# Altium PCB LimeSDR-X3_1v1.PcbDoc (part 20 of 25)
Units mm, origin at the board's own origin, x right, y up, seen from the top; angles counter-clockwise.
Board outline 232.5 x 111.15 mm, 12 copper layers (Top, L2, L3, L4, L5, L6, L7, L8, L9, L10, L11, Bottom), stack 1.596 mm thick; 2068 components, 1388 nets, 8930 pads, 3646 vias.
Unrouted connection lines stored in the file: 1.
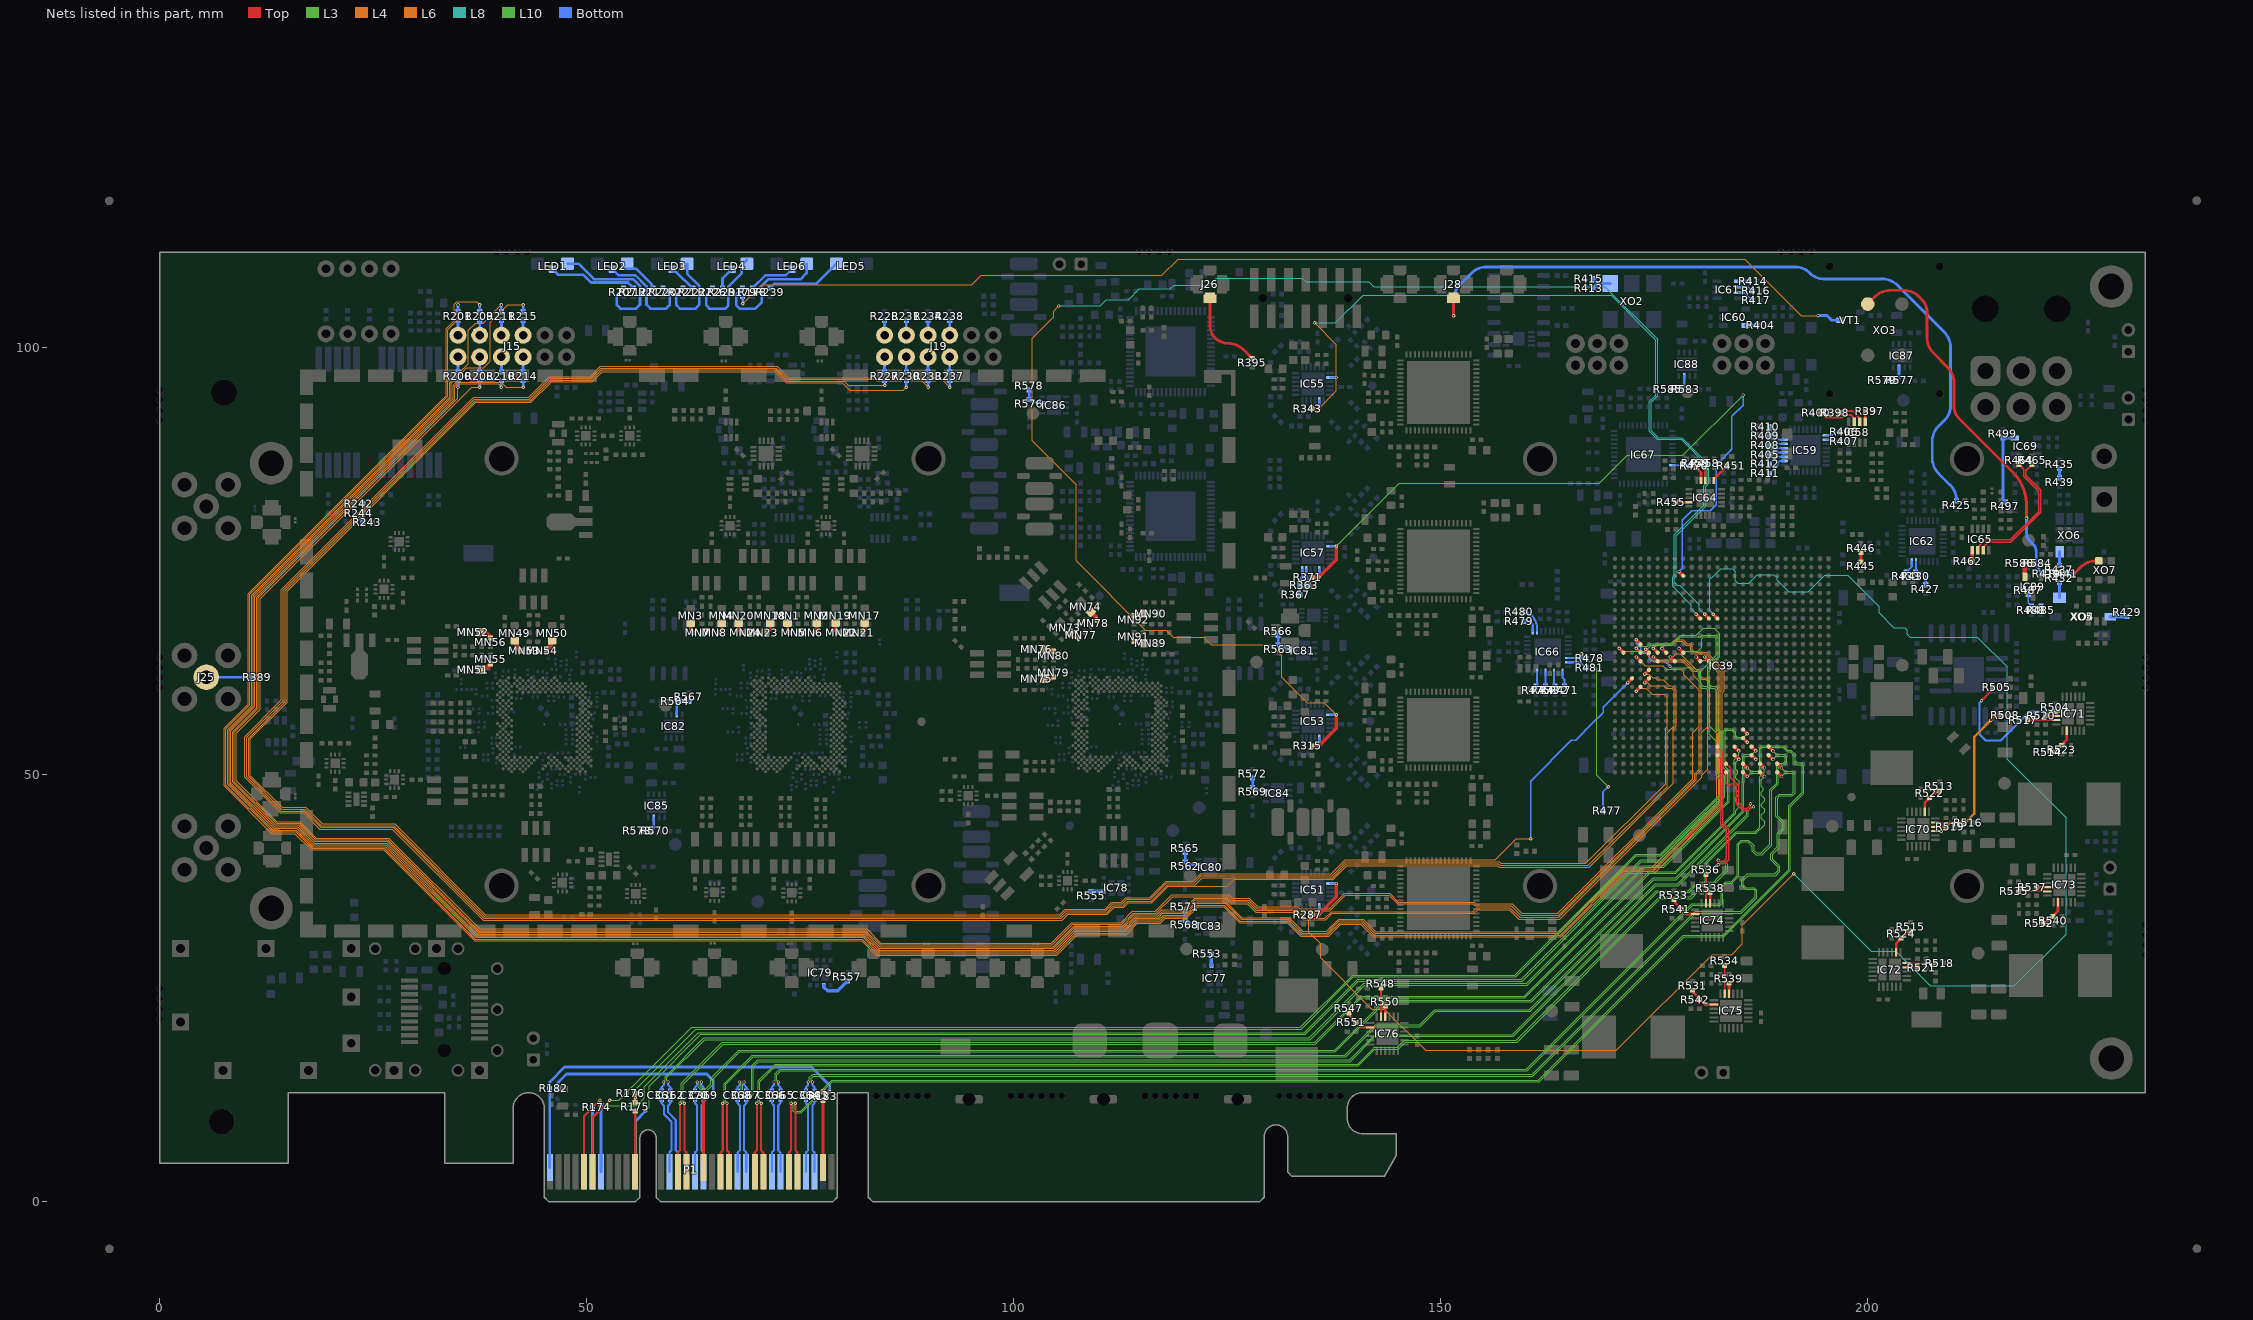
[diagram p30: the nets of this part, all layers, seen from the top]

## Via types
v1: diameter 0.4, hole 0.2, Top to Bottom, tented both sides, 3063 vias
v2: diameter 0.35, hole 0.2, Top to Bottom, tented both sides, 272 vias
v3: diameter 0.5, hole 0.2, Top to Bottom, tented bottom, 196 vias
v4: diameter 0.5, hole 0.2, Top to Bottom, tented both sides, 102 vias
v5: diameter 0.8, hole 0.4, Top to Bottom, tented both sides, 13 vias

## Nets (pads, with @x,y where several pads share a name; then routed paths per layer and width w, separated by ;. In a path a pad name is that pad's centre, name@x,y a point inside that pad or via, vN(x,y) a via of type N, cw(c..) or ccw(c..) an arc to the next point about the centre after c; other vN are vias at no path point) (continued)
NetIC57_23: IC57.23 R363.1 | length 1.9
  Bottom w0.254: IC57.23@134.25,74 134.25,73.312 ccw(c134.762,73.312) 134.4,72.95 cw(c134.159,72.709) 134.5,72.709 R363.1@134.5,72.175
NetIC57_24: IC57.24 R363.2 R367.1 | length 3
  Bottom w0.254: R367.1@133.5,71.075 R363.2@133.5,72.175 133.5,72.698 cw(c133.927,72.698) 133.625,73 ccw(c133.323,73.302) 133.75,73.302 IC57.24@133.75,74
NetIC58_5: IC58.5 R397.1 | length 1.2
  Top w0.3: IC58.5@199.7,91.339 R397.1@199.7,92.568
NetIC58_6: IC58.6 R398.1 | length 3.2
  Top w0.2: R398.1@196.7,92.375 196.9,92.575 198.2,92.575 199.05,91.725 IC58.6@199.05,91.339
NetIC58_7: IC58.7 R400.1 | length 4.8
  Top w0.2: R400.1@194.45,92.375 195,91.825 197.05,91.825 197.325,92.1 198.025,92.1 198.378,91.747 198.378,91.361 IC58.7@198.4,91.339
NetIC59_10: IC59.10 R411.2 | length 2.5
  Bottom w0.2: R411.2@188.475,85.275 189.4,86.2 189.4,86.45 189.669,86.719 190.194,86.719 IC59.10@190.2,86.725
NetIC59_11: IC59.11 R412.1 | length 2.1
  Bottom w0.2: R412.1@188.475,86.375 189.325,87.225 IC59.11@190.2,87.225
NetIC59_12: IC59.12 R405.1 | length 1.8
  Bottom w0.2: R405.1@188.475,87.45 188.75,87.725 IC59.12@190.2,87.725
NetIC59_13: IC59.13 R408.1 | length 1.9
  Bottom w0.2: R408.1@188.475,88.55 188.8,88.225 IC59.13@190.2,88.225
NetIC59_14: IC59.14 R409.1 | length 2.1
  Bottom w0.2: R409.1@188.475,89.65 189.4,88.725 IC59.14@190.2,88.725
NetIC59_15: IC59.15 R410.2 | length 2.6
  Bottom w0.2: R410.2@188.475,90.75 189.05,90.175 189.05,89.75 189.575,89.225 IC59.15@190.2,89.225
NetIC59_25: IC59.25 R406.1 | length 1.8
  Bottom w0.2: IC59.25@195.1,89.725 195.8,89.725 196.2,90.125 R406.1@196.75,90.125
NetIC59_26: IC59.26 R407.1 | length 1.7
  Bottom w0.2: IC59.26@195.1,89.225 196,89.225 196.2,89.025 R407.1@196.75,89.025
NetIC60_5: IC60.5 R404.2 | length 1.3
  Bottom w0.4: IC60.5@185.666,102.6 R404.2@186.975,102.6
NetIC61_5: IC61.5 R414.1 | length 1.2
  Bottom w0.3: IC61.5@184.825,107.75 R414.1@186.054,107.75
NetIC61_6: IC61.6 R416.1 | length 1.8
  Bottom w0.2: IC61.6@184.825,107.1 185.975,107.1 R416.1@186.425,106.65
NetIC61_7: IC61.7 R417.1 | length 2
  Bottom w0.2: IC61.7@184.825,106.45 185.525,106.45 R417.1@186.425,105.55
NetIC62_30: IC62.30 R427.2 R430.1 | length 3.6
  Bottom w0.25: IC62.30@205.625,74.95 205.625,73.75 R430.1@205.575,73.7 206.225,73.7 206.775,73.15 R427.2@206.775,72.225
NetIC62_31: IC62.31 R433.2 | length 1.5
  Bottom w0.25: R433.2@204.475,73.7 205.125,74.35 IC62.31@205.125,74.95
NetIC64_11: IC64.11 R451.1 | length 2.3
  Top w0.3: IC64.11@181.95,84.45 181.95,84.604 R451.1@183.486,86.14
NetIC64_13: IC64.13 R458.2 | length 1.5
  Top w0.3: IC64.13@180.95,84.45 R458.2@180.95,85.95
NetIC64_14: IC64.14 R459.2 | length 1.7
  Top w0.3: R459.2@179.85,85.95 180.45,85.35 IC64.14@180.45,84.45
NetIC64_19: IC64.19 R455.1 | length 1.6
  Top w0.3: R455.1@177.486,81.915 177.501,81.9 IC64.19@179.05,81.9
NetIC65_5: IC65.5 R462.1 | length 1.3
  Top w0.4: R462.1@212.199,74.976 IC65.5@212.2,76.29
NetIC65_6: IC65.6 R464.1 | length 15.6
  Top w0.15: IC65.6@212.85,76.29 212.85,76.625 213.7,77.475 216.646,77.475 219.975,80.804 219.975,83.2 218.25,84.925 218.25,85.75 R464.1@217.7,86.3
NetIC65_7: IC65.7 R465.1 | length 15.4
  Top w0.15: IC65.7@213.5,76.29 213.5,76.625 214.1,77.225 216.75,77.225 220.225,80.7 220.225,83.304 218.5,85.029 218.5,85.585 R465.1@219.225,86.31
NetIC66_1: IC66.1 R471.2 | length 1.7
  Bottom w0.25: IC66.1@164.25,62 164.25,61.329 164.45,61.129 R471.2@164.45,60.376
NetIC66_3: IC66.3 R472.2 | length 1.7
  Bottom w0.25: IC66.3@163.25,62 163.25,60.476 R472.2@163.35,60.376
NetIC66_5: IC66.5 R473.2 | length 1.6
  Bottom w0.25: R473.2@162.25,60.376 IC66.5@162.25,62
NetIC66_7: IC66.7 R475.2 | length 1.7
  Bottom w0.25: R475.2@161.15,60.376 161.25,60.476 IC66.7@161.25,62
NetIC66_17: IC66.17 R479.2 | length 2
  Bottom w0.25: R479.2@159.689,67.943 160.224,67.943 cw(c160.224,67.417) 160.75,67.417 IC66.17@160.75,66.8
NetIC66_18: IC66.18 R480.2 | length 3
  Bottom w0.25: R480.2@159.689,69.043 cw(c159.689,67.842) 160.538,68.691 160.689,68.54 cw(c159.335,67.186) 161.25,67.186 IC66.18@161.25,66.8
NetIC66_30: IC66.30 R477.2 R478.1 | length 22.7
  L10 w0.1: v1(166.475,64.15) 168.225,62.4 168.225,49.925 v1(169.575,48.575)
  Bottom w0.2: R477.2@168.975,45.75 168.975,47.975 v1(169.575,48.575)
  Bottom w0.25: IC66.30@164.9,63.65 R478.1@166.775,63.65 ; v1(166.475,64.15) 166.475,63.775 166.775,63.775 R478.1@166.95,63.6
NetIC66_31: IC66.31 R481.2 | length 2.3
  Bottom w0.25: IC66.31@164.9,63.15 166.3,63.15 R481.2@166.95,62.5
NetIC67_9: IC67.9 R470.1 | length 2.1
  Bottom w0.2: IC67.9@177.1,86.225 R470.1@179.15,86.225
NetIC69_5: IC69.5 R497.1 R499.2 | length 9
  Bottom w0.325: R497.1@216.1,81.925 215.8,82.225 R499.2@215.8,89.425 IC69.5@217.2,89.425
NetIC70_2: IC70.2 R513.2 R522.2 | length 4.7
  Top w0.309: IC70.2@206.65,45.225 IC70.2@206.65,45.625 ; R522.2@207.298,47.323 206.65,46.675 206.65,46.45 ; R522.2@207.325,47.3 207.361,47.336 207.398,47.373 208.007,47.982 208.232,47.982 R513.2@208.366,48.116 ; R522.2@207.373,47.398 R522.2@207.445,47.471 ; IC70.2@206.65,45.625 206.65,46.45 ; IC70.2@206.65,45.625 206.65,46.45
NetIC70_22: IC70.22 R519.1 | length 1.6
  Top w0.309: IC70.22@207.55,43.875 IC70.22@207.9,43.875 R519.1@209.15,43.875
NetIC70_23: IC70.23 R516.1 | length 3.4
  Top w0.2: IC70.23@207.9,44.375 R516.1@211.25,44.375
NetIC71_2: IC71.2 R514.2 R523.2 | length 4.7
  Top w0.309: R514.2@221.559,52.634 221.693,52.768 221.918,52.768 222.527,53.377 222.564,53.414 R523.2@222.6,53.45 ; R523.2@222.479,53.279 R523.2@222.552,53.352 ; R523.2@222.627,53.427 223.275,54.075 223.275,54.3 ; IC71.2@223.275,55.525 IC71.2@223.275,55.125 ; 223.275,54.3 IC71.2@223.275,55.125 ; 223.275,54.3 IC71.2@223.275,55.125
NetIC71_22: IC71.22 R520.1 | length 1.6
  Top w0.309: R520.1@220.775,56.875 IC71.22@222.025,56.875 IC71.22@222.375,56.875
NetIC71_23: IC71.23 R517.1 | length 3.4
  Top w0.2: R517.1@218.675,56.375 IC71.23@222.025,56.375
NetIC72_2: IC72.2 R515.2 R524.1 | length 4.7
  Top w0.309: IC72.2@203.3,28.775 IC72.2@203.3,29.175 ; R524.1@203.948,30.873 203.3,30.225 203.3,30 ; R524.1@203.975,30.85 204.011,30.886 204.048,30.923 204.657,31.532 204.882,31.532 R515.2@205.016,31.666 ; R524.1@204.023,30.948 R524.1@204.096,31.021 ; IC72.2@203.3,29.175 203.3,30 ; IC72.2@203.3,29.175 203.3,30
NetIC72_22: IC72.22 R521.1 | length 1.6
  Top w0.309: IC72.22@204.2,27.425 IC72.22@204.55,27.425 R521.1@205.8,27.425
NetIC72_23: IC72.23 R518.1 | length 3.4
  Top w0.2: IC72.23@204.55,27.925 R518.1@207.9,27.925
NetIC73_2: IC73.2 R532.1 R540.1 | length 4.7
  Top w0.309: R532.1@220.534,32.584 220.668,32.718 220.893,32.718 221.502,33.327 221.539,33.364 R540.1@221.575,33.4 ; R540.1@221.455,33.229 R540.1@221.527,33.302 ; R540.1@221.602,33.377 222.25,34.025 222.25,34.25 ; IC73.2@222.25,35.475 IC73.2@222.25,35.075 ; 222.25,34.25 IC73.2@222.25,35.075 ; 222.25,34.25 IC73.2@222.25,35.075
NetIC73_22: IC73.22 R537.1 | length 1.6
  Top w0.309: R537.1@219.75,36.825 IC73.22@221,36.825 IC73.22@221.35,36.825
NetIC73_23: IC73.23 R535.1 | length 3.4
  Top w0.2: R535.1@217.65,36.325 IC73.23@221,36.325
NetIC74_2: IC74.2 R533.1 R541.2 | length 4.7
  Top w0.309: R533.1@177.285,35.395 177.419,35.261 177.419,35.036 178.028,34.427 178.065,34.391 R541.2@178.101,34.355 ; R541.2@177.931,34.475 R541.2@178.003,34.402 ; R541.2@178.078,34.327 178.726,33.68 178.951,33.68 ; IC74.2@180.176,33.679 IC74.2@179.776,33.68 ; 178.951,33.68 IC74.2@179.776,33.68 ; 178.951,33.68 IC74.2@179.776,33.68
NetIC74_22: IC74.22 R538.1 | length 1.6
  Top w0.309: IC74.22@181.526,34.58 IC74.22@181.526,34.93 R538.1@181.526,36.18
NetIC74_23: IC74.23 R536.1 | length 3.4
  Top w0.2: IC74.23@181.026,34.93 R536.1@181.026,38.28
NetIC75_2: IC75.2 R531.2 R542.2 | length 4.7
  Top w0.309: R531.2@179.484,24.791 179.618,24.657 179.618,24.432 180.227,23.823 180.264,23.786 R542.2@180.3,23.75 ; R542.2@180.129,23.871 R542.2@180.202,23.798 ; R542.2@180.277,23.723 180.925,23.075 181.15,23.075 ; IC75.2@182.375,23.075 IC75.2@181.975,23.075 ; 181.15,23.075 IC75.2@181.975,23.075 ; 181.15,23.075 IC75.2@181.975,23.075
NetIC75_22: IC75.22 R539.1 | length 1.6
  Top w0.309: IC75.22@183.725,23.975 IC75.22@183.725,24.325 R539.1@183.725,25.575
NetIC75_23: IC75.23 R534.1 | length 3.4
  Top w0.2: IC75.23@183.225,24.325 R534.1@183.225,27.675
NetIC76_2: IC76.2 R547.1 R551.2 | length 4.7
  Top w0.309: R547.1@139.234,22.116 139.368,21.982 139.368,21.757 139.977,21.148 140.014,21.111 R551.2@140.05,21.075 ; R551.2@139.88,21.195 R551.2@139.952,21.123 ; R551.2@140.027,21.048 140.675,20.4 140.9,20.4 ; IC76.2@142.125,20.4 IC76.2@141.725,20.4 ; 140.9,20.4 IC76.2@141.725,20.4 ; 140.9,20.4 IC76.2@141.725,20.4
NetIC76_22: IC76.22 R550.1 | length 1.6
  Top w0.309: IC76.22@143.475,21.3 IC76.22@143.475,21.65 R550.1@143.475,22.9
NetIC76_23: IC76.23 R548.1 | length 3.4
  Top w0.2: IC76.23@142.975,21.65 R548.1@142.975,25
NetIC77_2: IC77.2 R553.2 | length 1.4
  Bottom w0.4: IC77.2@123.125,27.625 R553.2@123.125,29
NetIC78_2: IC78.2 R555.2 | length 1.5
  Bottom w0.4: R555.2@109.05,36.325 IC78.2@110.525,36.325
NetIC79_2: IC79.2 R557.2 | length 3.6
  Bottom w0.4: IC79.2@77.725,25.325 77.75,25.3 77.75,25.1 78.175,24.675 79.35,24.675 R557.2@80.5,25.825
NetIC80_3: IC80.3 R562.2 R565.2 | length 2.8
  Bottom w0.3: R565.2@120.055,40.886 R562.2@120.055,39.786 120.391,39.45 IC80.3@121.6,39.45
NetIC81_3: IC81.3 R563.2 R566.2 | length 2.8
  Bottom w0.3: R566.2@130.925,66.275 R563.2@130.925,65.175 131.261,64.839 IC81.3@132.47,64.839
NetIC82_3: IC82.3 R564.2 R567.2 | length 2.8
  Bottom w0.3: IC82.3@60.505,57.042 60.505,58.251 R564.2@60.841,58.587 R567.2@61.941,58.587
NetIC83_3: IC83.3 R568.1 R571.2 | length 2.8
  Bottom w0.3: R571.2@120.021,34.011 R568.1@120.021,32.911 120.357,32.575 IC83.3@121.566,32.575
NetIC84_3: IC84.3 R569.1 R572.2 | length 2.8
  Bottom w0.3: R572.2@127.955,49.586 R569.1@127.955,48.486 128.291,48.15 IC84.3@129.5,48.15
NetIC85_3: IC85.3 R570.1 R573.2 | length 2.8
  Bottom w0.3: R573.2@56.389,43.405 R570.1@57.489,43.405 57.825,43.741 IC85.3@57.825,44.95
NetIC86_3: IC86.3 R576.1 R578.1 | length 2.8
  Bottom w0.3: R578.1@101.775,95.037 R576.1@101.775,93.937 102.111,93.601 IC86.3@103.32,93.601
NetIC87_3: IC87.3 R577.1 R579.1 | length 2.8
  Bottom w0.3: R579.1@202.2,96.15 R577.1@203.3,96.15 203.636,96.486 IC87.3@203.636,97.695
NetIC88_3: IC88.3 R583.1 R585.1 | length 2.8
  Bottom w0.3: R585.1@177.05,95.15 R583.1@178.15,95.15 178.486,95.486 IC88.3@178.486,96.695
NetIC89_2: IC89.2 R584.2 R586.1 | length 2.6
  Top w0.5: IC89.2@218.375,73.15 218.375,74.675 218.45,74.75 R584.2@219.375,74.75
NetJ15_1: J15.1 R200.2 | length 1.8
  Bottom w0.325: R200.2@34.896,97.15 J15.1@34.896,98.904
NetJ15_2: J15.2 R208.2 | length 1.8
  Bottom w0.325: R208.2@37.439,97.15 J15.2@37.439,98.904
NetJ15_3: J15.3 R210.2 | length 1.8
  Bottom w0.325: R210.2@39.982,97.15 J15.3@39.982,98.904
NetJ15_4: J15.4 R214.2 | length 1.8
  Bottom w0.325: R214.2@42.525,97.15 J15.4@42.525,98.904
NetJ15_7: J15.7 R201.1 | length 1.8
  Bottom w0.325: J15.7@34.896,101.446 R201.1@34.896,103.2
NetJ15_8: J15.8 R209.1 | length 1.8
  Bottom w0.325: J15.8@37.439,101.446 R209.1@37.439,103.2
NetJ15_9: J15.9 R211.1 | length 1.8
  Bottom w0.325: J15.9@39.982,101.446 R211.1@39.982,103.2
NetJ15_10: J15.10 R215.1 | length 1.8
  Bottom w0.325: J15.10@42.525,101.446 R215.1@42.525,103.2
NetJ19_1: J19.1 R227.2 | length 1.8
  Bottom w0.325: R227.2@84.856,97.15 J19.1@84.856,98.904
NetJ19_2: J19.2 R230.2 | length 1.8
  Bottom w0.325: R230.2@87.399,97.15 J19.2@87.399,98.904
NetJ19_3: J19.3 R233.2 | length 1.8
  Bottom w0.325: R233.2@89.941,97.15 J19.3@89.941,98.904
NetJ19_4: J19.4 R237.2 | length 1.8
  Bottom w0.325: R237.2@92.484,97.15 J19.4@92.484,98.904
NetJ19_7: J19.7 R228.1 | length 1.8
  Bottom w0.325: J19.7@84.856,101.446 R228.1@84.856,103.2
NetJ19_8: J19.8 R231.1 | length 1.8
  Bottom w0.325: J19.8@87.399,101.446 R231.1@87.399,103.2
NetJ19_9: J19.9 R234.1 | length 1.8
  Bottom w0.325: J19.9@89.941,101.446 R234.1@89.941,103.2
NetJ19_10: J19.10 R238.1 | length 1.8
  Bottom w0.325: J19.10@92.484,101.446 R238.1@92.484,103.2
NetJ25_1: J25.1 R389.1 | length 5.4
  Bottom w0.325: J25.1@5.425,61.4 R389.1@10.875,61.4
NetJ26_1: J26.1 R395.1 | length 9.9
  Top w0.325: J26.1@122.95,105.725 122.95,102.623 ccw(c125.073,102.623) 125.073,100.5 cw(c125.073,97.96) 126.869,99.756 R395.1@127.9,98.725
NetJ28_1: J28.1 R425.1 | length 87.9
  Top w0.325: J28.1@151.458,105.825 cw(c151.418,105.785) 151.475,105.785 v1(151.475,103.725)
  Bottom w0.325: v1(151.475,103.725) 151.475,105.573 cw(c154.015,105.573) 152.219,107.369 153.556,108.706 cw(c155.352,106.91) 155.352,109.45 191.423,109.45 cw(c191.423,106.91) 193.219,108.706 ccw(c194.803,110.29) 193.22,108.705 ccw(c194.803,110.29) 194.803,108.05 201.648,108.05 cw(c201.648,105.51) 203.444,107.306 208.931,101.819 cw(c207.135,100.023) 209.675,100.023 209.675,93.19 cw(c207.285,93.19) 208.975,91.5 208.269,90.794 ccw(c210.065,88.998) 207.525,88.998 207.525,87.077 ccw(c210.065,87.077) 208.269,85.281 209.631,83.919 cw(c207.835,82.123) 210.375,82.123 R425.1@210.375,82.05
NetLED1_1: LED1.1 R207.1 | length 17.1
  Bottom w0.3: LED1.1@47.725,109.825 49,109.825 50.8,108.025 55.375,108.025 56.209,107.191 56.209,105.025 55.759,104.575 53.909,104.575 53.509,104.975 53.509,106.217 R207.1@54.267,106.975
NetLED1_2: LED1.2 R212.1 | length 10.4
  Bottom w0.3: LED1.2@45.975,109.175 46.6,108.55 49.55,108.55 50.475,107.625 54.788,107.625 R212.1@55.438,106.975
NetLED2_1: LED2.1 R217.1 | length 4.3
  Bottom w0.3: LED2.1@54.525,109.225 55.775,109.225 57.596,107.404 57.596,107.125 R217.1@57.746,106.975
NetLED2_2: LED2.2 R220.1 | length 12.3
  Bottom w0.3: LED2.2@52.975,109.175 53.675,108.475 55.675,108.475 56.975,107.175 56.975,105.025 57.425,104.575 59.275,104.575 59.675,104.975 59.675,106.217 R220.1@58.917,106.975
NetLED3_1: LED3.1 R221.1 | length 10.8
  Bottom w0.3: R221.1@61.225,106.975 60.467,106.217 60.467,104.975 60.867,104.575 62.717,104.575 63.167,105.025 63.167,107.208 61.725,108.65 LED3.1@61.725,109.825
NetLED3_2: LED3.2 R222.1 | length 3.3
  Bottom w0.3: LED3.2@59.975,108.875 60.425,108.875 62.396,106.904 R222.1@62.396,106.975
NetLED4_1: LED4.1 R226.1 | length 11.5
  Bottom w0.3: R226.1@64.704,106.975 63.946,106.217 63.946,104.975 64.346,104.575 66.196,104.575 66.55,104.929 66.55,107.15 68.15,108.75 68.15,109.7 LED4.1@68.725,110.275
NetLED4_2: LED4.2 R229.1 | length 2.6
  Bottom w0.3: R229.1@65.874,106.975 65.874,108.099 66.75,108.975 LED4.2@66.975,108.975
NetLED5_3: LED5.3 R239.2 | length 9
  Bottom w0.3: R239.2@71.446,106.975 71.971,107.5 76.9,107.5 LED5.3@79.225,109.825
NetLED6_1: LED6.1 R179.2 | length 14.7
  Bottom w0.3: R179.2@68.233,106.975 67.474,106.217 67.474,104.975 67.874,104.575 69.724,104.575 70.475,105.326 70.475,107.25 71.225,108 75,108 75.725,108.725 LED6.1@75.725,109.825
NetLED6_2: LED6.2 R178.2 | length 5.5
  Bottom w0.3: R178.2@69.403,106.975 70.903,108.475 73.275,108.475 LED6.2@73.975,109.175
NetMN1_1: MN1.1 MN5.2 | length 1.2
  Top w0.4: MN1.1@73.484,67.761 73.484,66.837 MN5.2@73.7,66.621
NetMN2_1: MN2.1 MN6.2 | length 1.2
  Top w0.4: MN6.2@76.7,66.621 76.916,66.837 MN2.1@76.916,67.761
NetMN3_1: MN3.1 MN7.2 | length 1.3
  Top w0.4: MN3.1@62.13,67.737 62.13,66.961 MN7.2@62.47,66.621
NetMN4_1: MN4.1 MN8.2 | length 1.3
  Top w0.4: MN8.2@65.47,66.621 65.81,66.961 MN4.1@65.81,67.737
NetMN17_1: MN17.1 MN21.2 | length 1.2
  Top w0.4: MN21.2@82.326,66.621 82.542,66.837 MN17.1@82.542,67.761
NetMN18_1: MN18.1 MN23.2 | length 1.3
  Top w0.4: MN23.2@71.1,66.621 71.44,66.961 MN18.1@71.44,67.737
NetMN19_1: MN19.1 MN22.2 | length 1.2
  Top w0.4: MN19.1@79.11,67.761 79.11,66.837 MN22.2@79.326,66.621
NetMN20_1: MN20.1 MN24.2 | length 1.3
  Top w0.4: MN20.1@67.76,67.737 67.76,66.961 MN24.2@68.1,66.621
NetMN49_1: MN49.1 MN53.2 | length 1.5
  Top w0.6: MN49.1@41.541,65.692 41.741,65.492 41.741,65.007 MN53.2@42.241,64.507
NetMN50_1: MN50.1 MN54.2 | length 1.5
  Top w0.6: MN54.2@45.241,64.507 45.741,65.007 45.741,65.492 MN50.1@45.941,65.692
NetMN51_1: MN51.1 MN55.2 | length 1.5
  Top w0.6: MN51.1@37.54,62.282 37.74,62.482 38.225,62.482 MN55.2@38.725,62.982
NetMN52_1: MN52.1 MN56.2 | length 1.5
  Top w0.6: MN52.1@37.54,66.682 37.74,66.482 38.225,66.482 MN56.2@38.725,65.982
NetMN73_1: MN73.1 MN77.2 | length 1.2
  Top w0.4: MN73.1@106.586,66.62 107.239,65.967 MN77.2@107.545,65.967
NetMN74_1: MN74.1 MN78.2 | length 1.2
  Top w0.4: MN74.1@109.012,69.047 109.666,68.394 MN78.2@109.666,68.088
NetMN75_1: MN75.1 MN79.2 | length 1.2
  Top w0.4: MN75.1@103.49,61.227 104.414,61.227 MN79.2@104.63,61.443
NetMN76_1: MN76.1 MN80.2 | length 1.2
  Top w0.4: MN76.1@103.49,64.659 104.414,64.659 MN80.2@104.63,64.443
NetMN89_1: MN89.1 MN91.2 | length 1.2
  Top w0.4: MN91.2@114.043,65.62 114.258,65.404 MN89.1@115.183,65.404
NetMN90_1: MN90.1 MN92.2 | length 1.2
  Top w0.4: MN92.2@114.043,68.62 114.258,68.836 MN90.1@115.183,68.836
NetP1_A6: P1.A6 R174.2 | length 7.6
  Bottom w0.325: P1.A6@50.65,3.5 R174.2@50.65,11.075
NetP1_A7: P1.A7 R174.1 | length 7.6
  Bottom w0.325: P1.A7@51.65,3.5 R174.1@51.65,11.075
NetP1_B11: P1.B11 R175.2 | length 7.1
  Top w0.325: P1.B11@55.65,3.5 R175.2@55.65,10.6
NetR179_1: R179.1 VT1.D | length 134.5
  L4 w0.1: v1(68.233,105.125) 70.483,107.375 95.075,107.375 96.15,108.45 117.3,108.45 119.217,110.367 185.558,110.367 192.175,103.75 v1(194.15,103.75)
  Bottom w0.3: v1(68.233,105.125) R179.1@68.233,105.975
  Bottom w0.325: v1(194.15,103.75) 195.225,103.75 195.765,103.21 VT1.D@196.773,103.21
NetR242_1: R242.1 R243.2 R244.1 | length 2.2
  Bottom w0.4: R243.2@23.775,79.525 R244.1@23.775,80.625 R242.1@23.775,81.725
NetR413_2: R413.2 R415.2 XO2.4 | length 3
  Bottom w0.4: R413.2@167.808,106.96 168.358,107.51 ; R415.2@167.808,108.06 168.358,107.51 ; XO2.4@169.824,107.51 168.358,107.51
NetR419_2: R419.2 XO3.3 | length 44.4
  Top w0.325: XO3.3@199.975,105.1 200.843,105.968 cw(c202.639,104.172) 202.639,106.712 204.186,106.712 cw(c204.186,104.172) 205.982,105.968 206.3,105.65 cw(c204.791,104.141) 206.925,104.141 206.925,101.152 ccw(c209.465,101.152) 207.669,99.356 209.331,97.694 cw(c207.535,95.898) 210.075,95.898 210.075,93.103 ccw(c211.953,93.103) 210.625,91.775 216.892,85.508 cw(c212.828,81.444) 218.575,81.444 v1(218.575,80)
  Bottom w0.325: v1(218.575,80) 218.575,78.326 ccw(c220.026,78.326) 219,77.3 219.346,76.954 cw(c218.493,76.1) 219.7,76.1 219.7,75.25 ccw(c222.175,75.25) R419.2@220.425,73.5
NetR429_1: R429.1 XO4.6 | length 2
  Bottom w0.4: XO4.6@228.376,68.5 R429.1@230.35,68.5
NetR432_2: R432.2 XO4.4 XO5.3 | length 1.8
  Bottom w0.325: XO5.3@222.426,70.7 R432.2@222.425,72.5
NetR435_2: R435.2 R439.1 | length 1.1
  Bottom w0.4: R439.1@222.436,84.76 R435.2@222.436,85.86
NetR437_1: R437.1 XO6.6 | length 1.6
  Bottom w0.325: R437.1@222.425,74.5 XO6.6@222.425,76.099
NetR441_2: R441.2 XO7.3 | length 4.1
  Top w0.325: v1(224.125,73.5) 224.908,74.283 cw(c226.704,72.487) 226.704,75.027 XO7.3@227.027,75.027
  Bottom w0.325: R441.2@223.425,73.5 v1(224.125,73.5)
NetR445_1: R445.1 R446.2 | length 1.1
  Top w0.325: R445.1@199.2,74.9 R446.2@199.2,76.025
NetR485_2: R485.2 R487.1 R488.2 | length 2.6
  Bottom w0.2: R487.1@218.775,71.075 218.775,70.125 R488.2@219.15,69.75 R485.2@220.25,69.75
PCIE_HSI0_IC_N: C370.2 IC39.C10 | length 147
  Top w0.4: IC39.C10@186.375,52.275 v1(186.875,51.775)
  L3 w0.1: v1(62.9,14) 62.9,13.941 63.05,13.791 63.05,13.367 63.367,13.05 64.058,13.05 64.7,13.692 64.7,14.342 67.883,17.525 137.633,17.525 143.508,23.4 160.619,23.4 174.919,37.7 177.55,37.7 185.475,45.625 185.475,49.035 185.475,51.95 185.7,52.175 186.475,52.175 v1(186.875,51.775)
  Bottom w0.25: C370.2@62.65,12.95 62.65,13.4 62.9,13.65 v1(62.9,14)
PCIE_HSI0_IC_P: C369.2 IC39.D10 | length 146.6
  Top w0.4: IC39.D10@186.375,53.275 v1(186.875,52.775)
  L3 w0.1: v1(63.4,14) 63.4,13.941 63.25,13.791 63.25,13.45 63.45,13.25 63.975,13.25 64.5,13.775 64.5,14.425 67.8,17.725 137.55,17.725 143.425,23.6 160.536,23.6 174.836,37.9 177.467,37.9 185.275,45.708 185.275,49.117 185.275,52.033 185.617,52.375 186.475,52.375 v1(186.875,52.775)
  Bottom w0.25: v1(63.4,14) 63.4,13.65 63.65,13.4 C369.2@63.65,12.95
PCIE_HSI0_N: C369.1 P1.A17 | length 8.7
  Bottom w0.25: P1.A17@63.65,3.5 63.65,5.75 63.4,6 63.4,11.25 63.65,11.5 C369.1@63.65,11.95
PCIE_HSI0_P: C370.1 P1.A16 | length 8.7